# KiCad board Marble.kicad_pcb (continued)
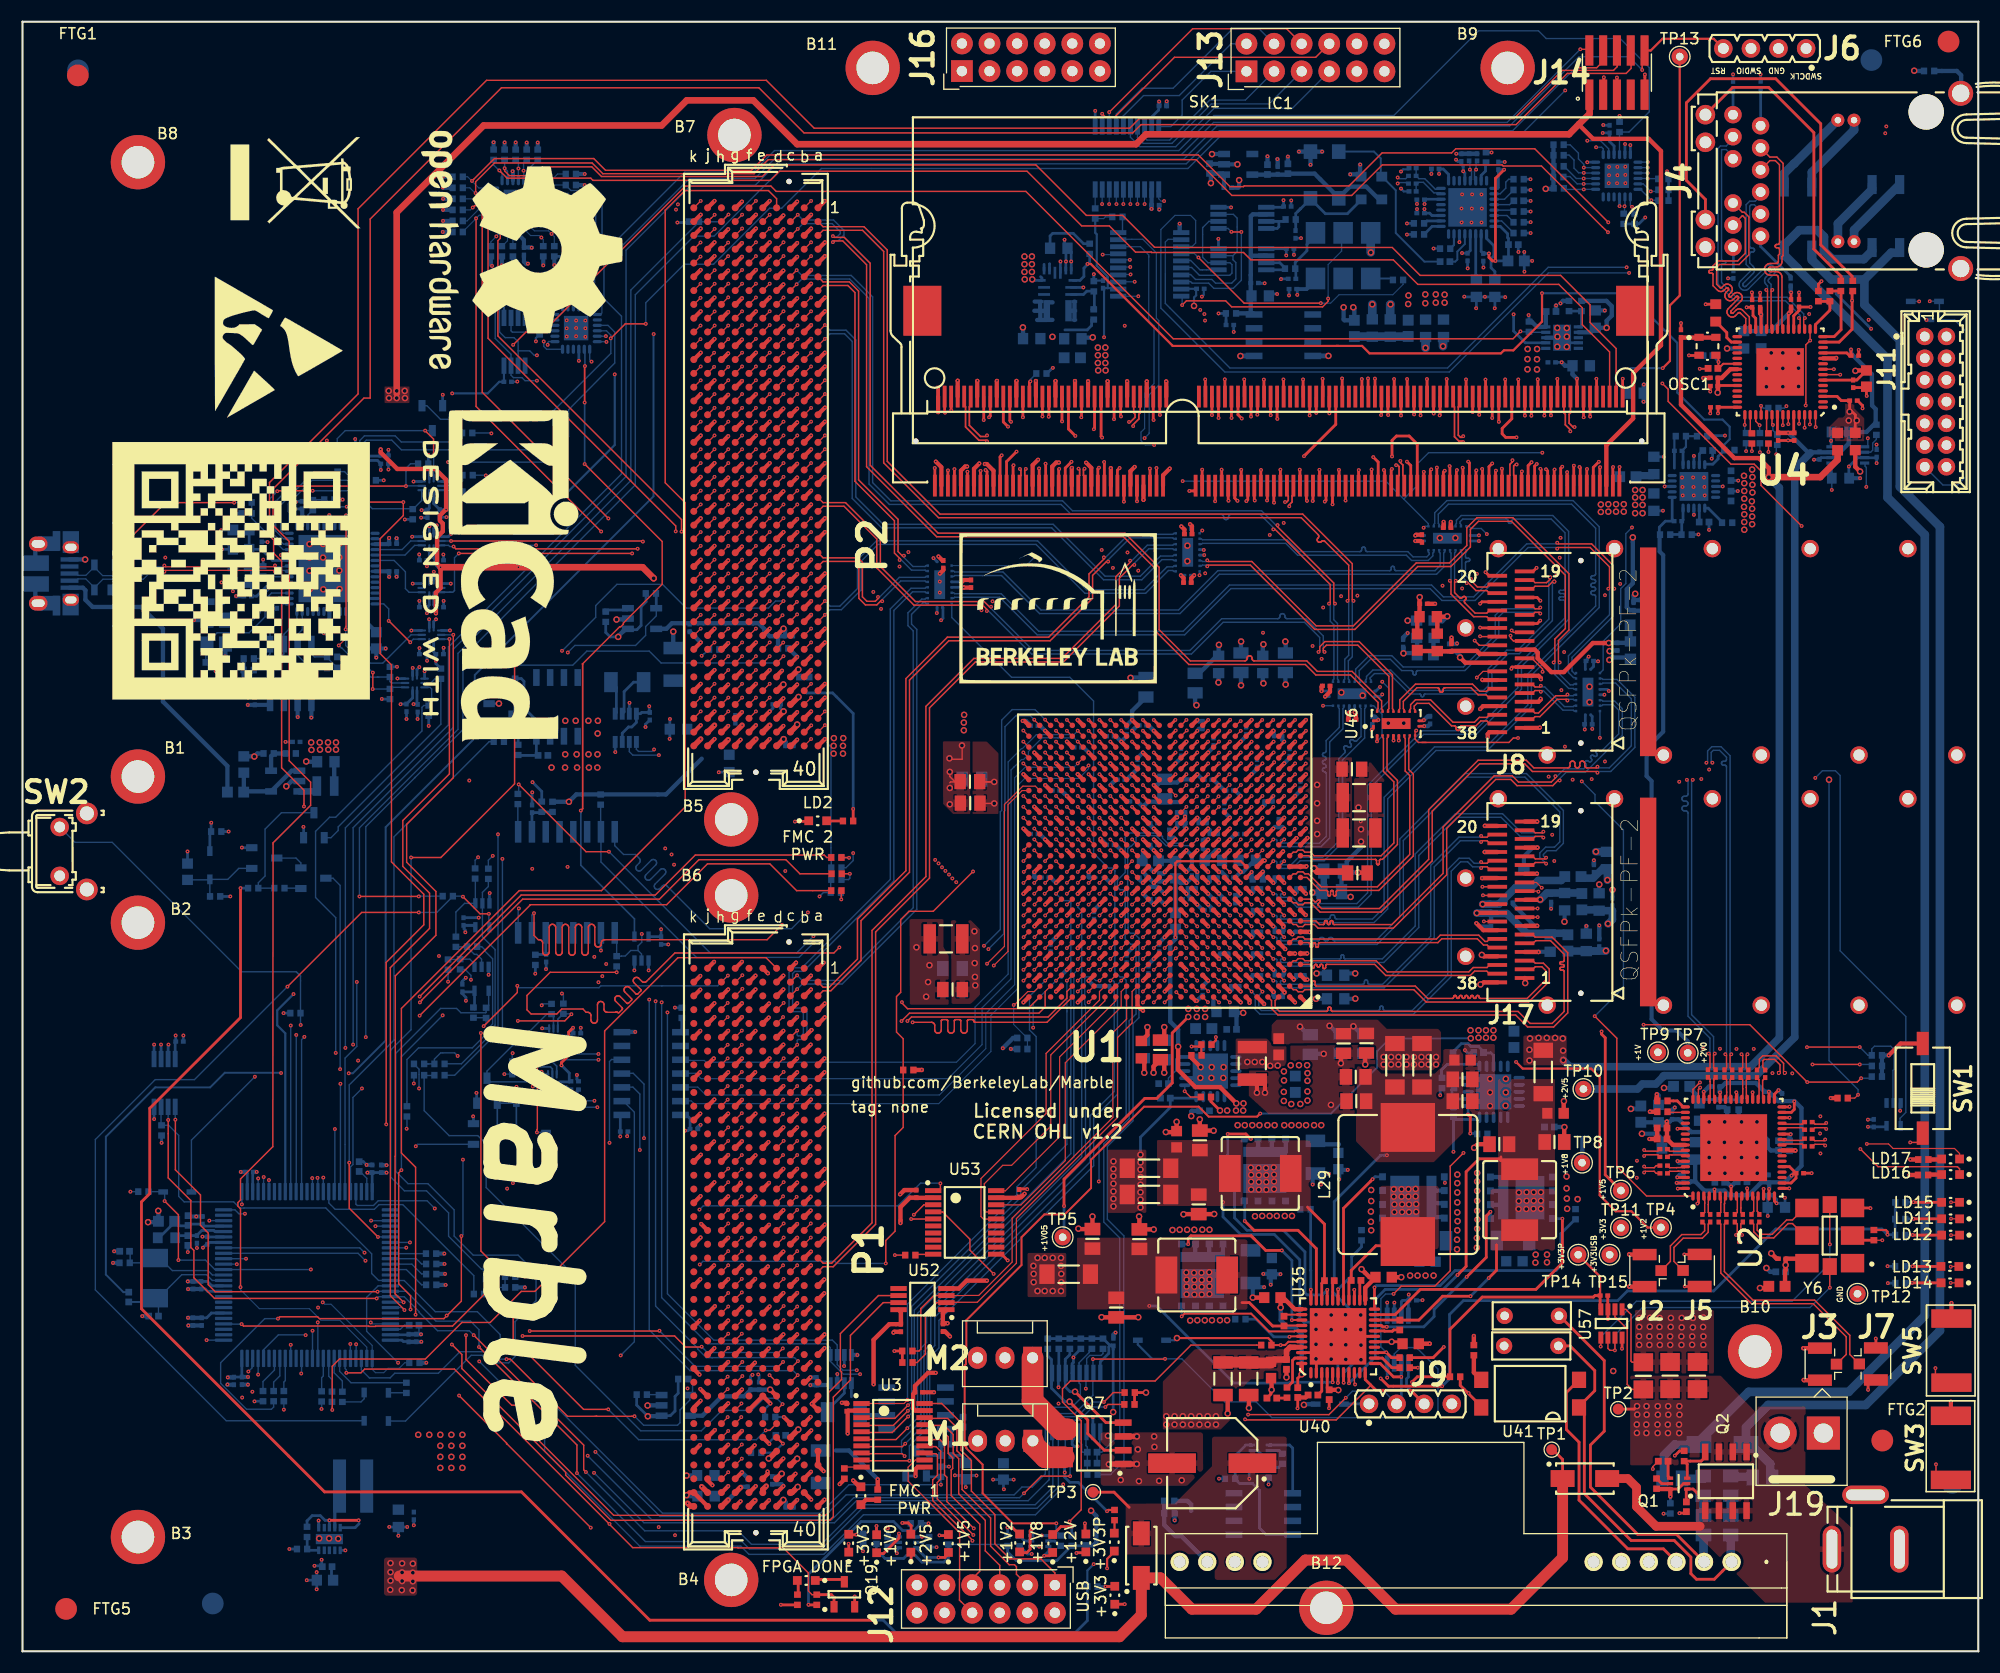
[diagram p0: board, top side]
## Routing (per net, layer and track width the routed paths; a pad name or vN(x,y) marks a point on that pad's centre or on a via; arc(x,y) is an arc through that point) (continued)
  Bottom w0.354: C115.1 118.19,125.39 118.62,125.82
  Bottom w0.381: U13.1 110.57,135.91 C80.1 ; 109.37,135.4 v2(109.37,135.15) ; v2(109.48,137.81) 109.49,137.82 U13.3
  Bottom w0.402: U13.1 110.5,136.02 109.37,136.02 109.37,135.4
  vias: v2(127.56,124.8) v2(127.53,124.01) v2(129.11,124.9) v2(129.11,124.09) v2(130.07,124.9) v2(130.07,124.14) v2(130.88,124.88) v2(130.88,124.14)
+3V3_USB: length 260.2
  Top w0.254: v1(20.06,70.25) 20.06,58.33 11.71,49.98 11.71,42.13 10.94,41.37 10.94,31.53 27.8,14.67 45.92,14.67 57.73,2.86 v1(78.25,2.86)
  In2.Cu w0.2: TP15.1 146.07,34.51 144.03,32.46 144.03,25.91 138.41,20.3 112.91,20.3 106.44,13.82 104.39,13.82 v1(98.59,8.02)
  Bottom w0.2: R78.1 98,7.43 v1(98.59,8.02)
  Bottom w0.254: R121.1 33.08,87.65 v1(33.07,87.66) ; v1(34.8,87.18) 34.81,87.2 C178.1 35.9,87.76 U24.7 ; v1(34.5,89.55) 34.52,89.53 U24.10 ; v1(35.91,90.52) 35.9,90.51 U24.1 ; v1(37.45,103.56) 37.44,103.55 U38.1 ; R270.1 v1(19.12,69.48) ; v1(35.91,98.28) 35.92,98.28 U15.10 ; v1(36.73,105.04) 36.73,105.05 C182.1 37.44,105.22 U26.7 ; v1(35.19,104.18) 35.2,104.19 R122.1 ; v1(35.79,93.96) 35.79,93.96 U25.10 ; C164.1 25.12,105.15 v1(25.12,105.15) ; v1(32.98,108.74) 32.97,108.75 C183.1 32.66,109.62 U33.7 ; v1(30.13,108.92) 30.14,108.92 U33.10 ; v1(37.22,95.56) 37.23,95.57 C355.1 37.44,96.32 U15.7 ; v1(35.99,107.67) 36,107.68 U26.10 ; v1(17.98,100.55) 18.62,99.91 L24.1 ; U38.7 37.44,100.63 C184.1 37.23,99.88 v1(37.22,99.88) ; R126.1 v1(33.25,107.79) ; R78.1 98,2.82 96.92,1.74 80.34,1.74 79.22,2.86 v1(78.25,2.86) ; U25.7 37.44,92 C180.1 37.23,91.18 v1(37.23,91.18) ; v1(17.37,76.27) 17.36,76.25 R272.2 17.24,75.34 D16.1 ; R271.2 v1(20.06,70.25) ; R123.1 34.46,90.62 v1(34.47,90.62) ; v1(37.36,110.12) 37.35,110.11 R124.1 37.44,109.22 U26.1 ; L25.1 18.31,103.22 v1(18.29,103.19) ; 28.03,109.58 v1(28.05,109.55) 28.08,109.53 R125.1
  Bottom w0.381: v1(33.74,102.48) 33.73,102.47 C176.1 33.7,101.91 U23.31 ; v1(22.86,96.71) 22.86,96.71 C169.1 23.62,96.91 U23.2 ; C164.1 25.75,105.11 U23.16 ; U23.36 33.73,99.41 C177.1 33.73,98.91 v1(33.74,98.9) ; U23.50 28.25,94.43 C170.1 27.72,94.42 v1(27.71,94.41) ; v1(20.34,89.49) R115.1 20.36,90.34 R117.1 ; v1(20.74,87.11) 20.74,87.12 C163.1 22.59,87.12 U21.8 ; U21.6 25.32,86.01 v1(25.33,85.99) ; R113.1 v1(29.63,91.53) ; v1(31.25,94.87) 31.25,94.88 U23.44
  Bottom w0.4: L23.2 28.69,81.85 C172.1
  vias: v2(26.57,83.66) v2(26.59,82.97) v2(27.35,83.66) v2(27.38,83) v2(28.11,83.66) v2(28.14,83) v2(28.85,83.66) v2(28.85,83)
+5V: length 1
  Top w0.254: C363.1 116.34,23.31 R193.1
+12V: length 66.4
  Top w0.127: U57.1 147.57,31.47 148.04,31 148.04,26.72 148.15,26.61 R15.2
  Top w0.4: 115.22,26.86 114.96,26.6 ; 112.94,26.6 112.87,26.53
  Top w0.45: U35.41 116.65,27.99 116.64,27.98
  Top w0.5: 115.22,26.86 114.89,26.53 ; C137.1 116.33,27.67 116.64,27.98 117.09,27.98
  Top w0.6: C137.1 115.22,26.86
  Top w1: 110.61,26.61 112.63,26.61 ; 112.87,26.53 114.89,26.53
  Bottom w0.127: R254.1 90.52,9.83 R252.1
  Bottom w0.254: 86.79,17.68 86.45,18.02 R202.1 ; R252.1 85.21,8.61 84.81,8.21 82.77,8.21 82.15,8.83 81.38,8.83 81.09,8.54 79.38,8.54 78.58,9.34 R249.1 ; R254.1 90.66,9.15 91.45,8.36 95.2,8.36 96.55,9.71 R256.1 97.79,9.71 R257.1 ; R203.1 45.9,89.54 46.15,89.29 46.15,86.83 47.33,85.65 v2(48.68,85.65)
  Bottom w0.4: 129.84,40.91 129.72,41.04 129.72,41.24 130.55,41.24 ; v2(98.35,12.94) 98.83,12.46 98.83,10.04 98.55,9.76 R257.1 ; 129.74,42.38 129.77,42.41 130.66,42.41 ; Q11.2 113.71,45.97 ; Q10.4 110.49,36.46 ; Q11.3 114.98,45.97 ; Q10.3 109.22,36.3 ; 130.86,39.97 129.71,39.97 ; Q11.4 116.25,45.94 ; Q13.3 136.28,42.38 ; Q13.2 136.28,41.11 ; Q10.2 107.95,36.3 ; Q13.4 136.22,43.65 ; 119.35,46.83 119.52,46.66 121.16,46.66
  vias: v2(48.69,81.35) v2(49.96,85.65) v2(49.95,82.57) v2(49.93,81.35) v2(50.91,85.65) v2(51,82.57) v2(51.04,81.35) v2(52.08,85.65) v2(52.09,82.57) v2(52.13,81.35) v2(52.96,85.65) v2(52.93,84.48) v2(52.92,82.57) v2(52.91,81.35) v2(105.27,21.63) v2(105.27,20.87) v2(105.84,38.78) v2(106.03,21.63) v2(106.03,20.87) v2(106.5,38.8) v2(106.79,21.63) v2(106.79,20.87) v2(107.19,38.8) v2(107.55,21.63) v2(107.55,20.87) v2(107.85,38.8) v2(108.32,21.63) v2(108.32,20.87) v2(108.58,38.8) v2(109.08,21.63) v2(109.08,20.87) v2(109.24,38.8) v2(109.84,21.63) v2(109.84,20.87) v2(111.83,48.43) v2(112.49,48.43) v2(113.18,48.43) v2(113.84,48.43) v2(114.58,48.43) v2(115.24,48.43) v2(116.13,48.43) v2(116.79,48.43) v2(117.47,48.43) v2(118.13,48.43) v2(118.87,48.43) v2(119.53,48.43) v2(132.05,43.88) v2(132.05,43.09) v2(132.05,42.23) v2(132.05,41.32) v2(132.05,40.4) v2(132.08,39.59) v2(132.05,38.75) v2(132.03,37.89) v2(132.03,37) v2(133.88,44.03) v2(133.88,43.25) v2(133.88,42.38) v2(133.88,41.47) v2(133.88,40.55) v2(133.88,38.9) v2(133.86,38.04) v2(133.86,37.15) v2(133.91,39.74) v2(148.78,28.99) v2(148.79,28.21) v2(148.82,30.68) v2(148.8,29.86) v2(149.79,30.7) v2(149.77,29.87) v2(149.72,28.98) v2(149.74,28.2) v2(150.68,30.68) v2(150.66,29.86) v2(150.68,28.98) v2(150.7,28.2) v2(151.69,29.86) v2(151.64,28.98) v2(151.65,28.2) v2(151.71,30.68) v2(152.67,28.98) v2(152.68,28.2) v2(152.7,30.68) v2(152.7,29.82) v2(153.67,28.98) v2(153.66,28.21) v2(153.73,30.68) v2(153.73,29.82) v2(154.69,30.72) v2(154.67,29.85) v2(154.69,28.21) v2(154.7,28.98)
+12V_FMC1: length 11.1
  Top w0.381: P1.C35 70.7,19.69 ; P1.C37 70.7,17.15
  Top w0.4: R235.1 v1(78.71,15.83) ; 71.29,17.75 v2(71.29,17.73)
  Top w0.5: P1.C35 v2(71.4,20.41) ; 70.7,17.15 71.29,17.75
  Bottom w0.254: U17.2 75.63,23.76 74.09,22.21 R182.2
  Bottom w0.4: 74.86,18.48 76.06,18.48 v1(78.71,15.83)
+12V_FMC2: length 21
  Top w0.254: v1(76.45,77.54) 76.45,76.43 R236.1
  Top w0.381: P2.C35 70.72,89.69 ; P2.C37 70.72,87.15
  Top w0.5: 70.72,87.15 71.29,87.72 ; 70.72,89.69 71.29,90.26
  Bottom w0.254: R183.2 56.25,89.21 55.37,88.33 55.37,86.48 U32.2 ; 72.13,88.23 72.15,88.21 74.56,88.21 76.45,86.33 v1(76.45,77.54)
  vias: v2(71.41,90.37) v2(71.42,87.85)
/FPGA/FPGA_PWR&MISC/GNDADC: length 12.7
  Top w0.381: U1.P12 v1(107.12,73.73) ; U1.P11 v1(108.12,73.73) ; U1.M11 v1(108.12,70.73) ; U1.N11 v1(108.12,71.73) ; U1.N12 v1(107.12,71.73)
  Bottom w0.381: U1.P11 v1(108.12,73.73) ; U1.P11 C224.2 ; U1.P11 v1(107.12,73.73) 106.14,72.75 C222.2 ; C224.2 107.47,72.08 v1(107.12,71.73) 106.12,72.73 C222.2 ; C224.2 107.77,72.08 v1(108.12,71.73) v1(108.12,70.73) ; 104.61,72.76 106.11,72.76 C222.2
/FPGA/FPGA_PWR&MISC/VCCADC: length 5.9
  Top w0.381: U1.M12 v1(107.12,70.73)
  Bottom w0.381: C224.1 107.62,71.23 v1(107.12,70.73) 106.54,70.73 C222.1
  Bottom w0.4: C222.1 L27.2
/Power/+12VS: length 19
  Top w0.127: U57.2 146.57,30.79 147.69,29.67 147.69,24.57 148.15,24.11 R15.1
  Top w0.254: Q1.4 151.45,16.12 C131.1 ; v2(148.6,22.57) 148.32,22.29 TP2.1
  Bottom w0.254: Q4.1 116.9,18.7 116.62,18.98 Q22.4
  vias: v2(148.57,20.88) v2(148.58,20.09) v2(148.61,21.79) v2(149.47,22.56) v2(149.48,21.78) v2(149.44,20.87) v2(149.46,20.09) v2(150.5,22.56) v2(150.47,20.87) v2(150.49,20.09) v2(150.51,21.78) v2(151.45,22.56) v2(151.47,21.78) v2(151.43,20.87) v2(151.44,20.09) v2(152.49,22.56) v2(152.5,21.78) v2(152.46,20.87) v2(152.47,20.09)
/Power/Power_SW/1V5_DCDC: length 14.9
  In7.Cu w0.4: v2(94.79,121) 97.63,123.84 v1(97.63,125.54)
  Bottom w0.254: v1(97.63,125.54) 97.63,125.54 U58.2 ; 98.4,122.58 98.4,122.04 97.99,121.63 95.94,121.63
  Bottom w0.4: 94.34,123.38 93.75,123.38 ; 94.79,122.56 94.2,122.56 ; 94.8,124.17 94.21,124.17 ; 93.68,123.22 93.68,122.62 ; 93.66,124.13 93.66,123.54 ; U58.8 93.13,123.39 ; 94.21,122.55 93.39,122.55 ; U58.9 93.16,124.24
/Power/Power_SW/1V5_LDO: length 5.7
  Bottom w0.2: C71.1 152.03,111.73 R69.1
  Bottom w0.254: C71.1 152.03,108.91
  Bottom w0.4: 150.09,108.08 148.96,108.08 ; C72.1 149.02,108.36 148.73,108.07
GND: length 1103.3
  Top w0.127: 149.62,92 149.62,83.34 150.46,82.5 151.03,82.5 ; v1(150.05,16.78) 150.03,16.8 150.03,16.98 150.34,17.29 150.34,17.51 ; 151.05,59.47 150.42,59.47 149.64,60.25 149.64,68.97 149.63,68.96 ; v2(85.31,82.19) 85.39,82.11 86.48,82.11 86.48,83.36 v2(86.46,83.38) ; v2(85.34,80.95) 85.34,80.52 85.84,80.03 86.49,80.03 85.42,80.03 85.34,79.95
  Top w0.2: LD18.1 100.48,9.16 99.82,8.5 v1(99.82,7.64)
  Top w0.254: v1(124.47,117.15) 124.48,117.14 124.48,115.52 ; v1(126.24,117.11) 126.24,117.1 126.24,115.48 ; v1(127.43,117.11) 127.44,117.1 127.44,115.48 ; v1(129.26,117.11) 129.27,117.1 129.27,115.48 ; v1(131.07,117.11) 131.08,117.1 131.08,115.48 ; v1(132.85,117.07) 132.86,117.06 132.86,115.44 ; v1(134.64,117.06) 134.65,117.05 134.65,115.43 ; v1(136.46,117.07) 136.47,117.06 136.47,115.44 ; v1(137.67,117.07) 137.67,117.06 137.67,115.44 ; v1(139.46,117.08) 139.46,117.08 139.46,115.46 ; 81.79,9 v1(81.79,8.26) ; SK1.133 125.97,108.76 v1(126.03,108.83) ; v1(153.38,119.29) 153.39,119.27 154.3,119.27 ; v1(159.16,125.08) 159.19,125.05 C52.2 ; U57.8 147.22,27.86 v1(147.21,27.85) ; U35.2 119.08,26.99 U35.45 ; U2.33 161.24,51.28 v1(161.62,51.65) ; v1(139.68,94.87) 139.41,94.6 J8.13 ; v1(134.65,99.33) 134.98,99 J8.20 ; v1(145.08,109.49) 144.57,108.98 SK1.195 ; U35.42 119.58,27.49 U35.45 ; SK1.161 134.37,108.8 v1(134.34,108.83) ; C48.2 v1(163.5,125.08) ; J5.2 153,33.58 v1(152.99,33.59) ; v1(91.21,109.17) 91.17,109.13 SK1.25 ; v1(169,119.79) 168.99,119.79 C55.2 ; v1(141.26,117.12) 141.27,117.11 SK1.184 ; J7.2 170.58,28.78 v1(170.57,28.79) ; v1(134.15,96.43) 134.32,96.6 J8.23 ; U35.45 U35.17 ; 151.05,12.68 v1(151.03,12.67) ; J8.26 134.18,94.2 v1(134.15,94.23) ; v1(76.59,5.05) 76.59,5.04 Q19.2 ; v1(145.91,30.58) 145.92,30.59 U57.3 145.9,31.49 C378.2 ; P2.B39 71.97,84.61 v1(72.59,85.23) ; v1(162.63,50.13) 162.61,50.11 U2.32 ; v2(114.96,24.07) 114.96,23.85 114.94,23.85 114.89,23.8 114.89,23.67 C363.2 ; 149.32,143.56 v1(149.32,145.14) ; 145.51,143.56 145.54,143.59 v1(145.54,144.88) ; v1(155.33,115.96) 155.34,115.96 155.34,116.52 ; v1(139.35,99.73) 139.02,99.4 J8.19 ; v1(155.33,113.95) 155.36,113.98 C54.2 ; v1(152.3,43.63) 152.32,43.61 U2.62 ; v1(90.68,35.98) 90.12,36.54 89.61,36.54 ; v1(152.35,42.59) 152.37,42.61 U2.64 ; SK1.189 142.77,109.12 v1(142.78,109.13) ; R108.2 152.51,18.44 v1(152.07,18) ; C362.2 117.37,22.39 v1(117.35,22.37) ; v1(138,108.6) 137.97,108.57 SK1.173 ; J7.2 169.86,24.97 v1(169.86,24.06) ; v1(97,9.05) 97.03,9.07 97.79,9.07 ; v1(162.61,42.61) 162.6,42.61 U2.17 ; v1(136.15,108.85) 136.17,108.84 SK1.167 ; v2(134.19,61.38) 134.38,61.57 134.49,61.57 ; v1(161.44,41.24) 161.24,41.44 U2.16 ; v1(124.77,85.73) 124.7,85.65 124.32,85.65 ; C319.2 91.77,42.56 92.44,42.56 v1(92.47,42.53) ; 169.89,122.54 v1(169.91,122.56) ; C79.2 162.48,111.45 v1(162.49,111.46) 162.5,111.45 C56.2 ; U2.2 154.24,41.3 v1(154.15,41.21) ; v1(158.72,42.61) 158.74,42.59 U2.11 ; 153.12,12.72 152.51,12.72 v1(152.5,12.71) ; v1(124.17,108.78) 124.17,108.78 SK1.127 ; v1(132.55,108.94) 132.57,108.92 SK1.155 ; v1(146.39,109.01) 146.37,108.99 SK1.201 ; v1(152.64,122.26) 152.64,122.26 C43.2 ; v1(126.18,83.84) 126.17,83.85 126.17,84.3 ; v1(159.23,51.45) 159.24,51.44 U2.37 ; v1(152.95,36.53) 152.95,36.53 J5.2 ; v1(120.25,22.37) 120.26,22.39 C140.2 ; SK1.151 131.37,109.07 v1(131.34,109.1) ; J8.16 139.4,97 139.7,96.7 v1(139.7,96.7) ; v1(154.91,123.99) 154.92,124 R66.1 ; 146.78,143.56 146.75,143.59 v1(146.75,144.86) ; U2.53 152.33,48.11 v1(152.32,48.1) ; SK1.197 145.17,108.97 v1(145.2,108.99) ; v1(170.08,40.78) 170.05,40.81 Y6.3 ; U2.27 162.72,47.61 v1(162.73,47.59) ; SK1.196 144.87,117.12 v1(144.85,117.14) ; C53.2 169.62,116.32 C57.2 169.71,115.58 v1(169.73,115.55) ; v1(154.73,51.5) 154.74,51.5 U2.46 ; U2.30 162.63,49.11 v1(162.63,49.11) ; v1(129.65,108.8) 129.57,108.71 SK1.145 ; v1(169.35,114.41) 169.35,114.66 168.89,115.12 C46.2 ; 72.13,76.39 71.12,76.39 v1(71.09,76.37) ; C323.2 v1(164.67,44.01) ; v1(141.71,109.04) 141.57,108.9 SK1.185 ; v2(134.31,64.1) 134.44,63.97 134.49,63.97 ; v1(127.42,109.5) 127.77,109.15 SK1.139 ; 138.27,61.97 138.27,61.54 v2(138.3,61.51) ; 128.52,85.65 128.91,85.65 v1(128.98,85.72) ; SK1.179 139.77,108.77 v1(139.7,108.84) ; C51.2 v1(162.77,125.08) ; C49.2 v1(159.92,125.05) ; SK1.190 143.07,117.13 v1(143.06,117.14) ; v1(76.03,9.9) 76.04,9.88 76.04,9.07 ; LD19.1 v1(101.44,4.33)
  Top w0.381: U1.M7 v1(112.12,70.73) ; U1.K4 v1(115.12,68.73) ; U1.M4 v1(115.12,70.73) ; U1.L5 v1(114.12,69.73) ; U1.M9 v1(110.12,70.73) ; U1.P13 v1(106.12,73.73) ; U1.L16 v1(102.12,69.73) ; U1.L12 v1(107.12,69.73) ; U1.V15 v1(103.12,77.73) ; U1.M15 v1(103.12,70.73) ; U1.AE14 v1(104.12,84.73) ; U1.AE24 v1(94.12,84.73) ; U1.R24 v1(94.12,74.73) ; U1.AD17 v1(101.12,83.73) ; U1.AA16 v1(102.12,80.73) ; U1.T15 v1(103.12,75.73) ; U1.AB23 v1(95.12,81.73) ; U1.AA26 v1(92.12,80.73) ; U1.U18 v1(100.12,76.73) ; U1.P15 v1(103.12,73.73) ; U1.P17 v1(101.12,73.73) ; U1.U14 v1(104.12,76.73) ; U1.L10 v1(109.12,69.73) ; U1.K11 v1(108.12,68.73) ; U1.L14 v1(104.12,69.73) ; U1.AC20 v1(98.12,82.73) ; U1.Y19 v1(99.12,79.73) ; U1.T13 v1(106.12,75.73) ; U1.R14 v1(104.12,74.73) ; U1.N14 v1(104.12,71.73) ; U1.K7 v1(112.12,68.73) ; U1.K9 v1(110.12,68.73) ; U1.K13 v1(105.12,68.73) ; U1.J12 v1(107.12,67.73) ; U1.T1 v1(118.12,75.73) ; U1.U10 v1(109.12,76.73) ; U1.G8 v1(111.12,65.73) ; U1.E7 v1(112.12,63.73) ; U1.Y9 v1(110.12,79.73) ; U1.F4 v1(115.12,64.73) ; U1.W12 v1(107.12,78.73) ; U1.A7 v1(112.12,59.73) ; U1.D4 v1(115.12,62.73) ; U1.D7 v1(112.12,62.73) ; U1.B7 v1(112.12,60.73) ; U1.C7 v1(112.12,61.73) ; U1.C5 v1(114.12,61.73) ; U1.U8 v1(111.12,76.73) ; U1.AC10 v1(109.12,82.73) ; U1.G5 v1(114.12,65.73) ; U1.R10 v1(109.12,74.73) ; U1.W2 v1(117.12,78.73) ; U1.N7 v1(112.12,71.73) ; U1.AD7 v1(112.12,83.73) ; U1.AF11 v1(108.12,85.73) ; U1.E5 v1(114.12,63.73) ; U1.F7 v1(112.12,64.73) ; U1.H7 v1(112.12,66.73) ; U1.T4 v1(115.12,75.73) ; U1.V5 v1(114.12,77.73) ; U1.P9 v1(110.12,73.73) ; U1.AF1 v1(118.12,85.73) ; U1.R8 v1(111.12,74.73) ; U1.R5 v1(114.12,74.73) ; U1.AA6 v1(113.12,80.73) ; U1.F11 v1(108.12,64.73) ; U1.H4 v1(115.12,66.73) ; U1.AB13 v1(106.12,81.73) ; U1.J5 v1(114.12,67.73) ; U1.AB3 v1(116.12,81.73) ; U1.T9 v1(110.12,75.73) ; U1.T11 v1(108.12,75.73) ; U1.N10 v1(109.12,71.73) ; U1.L1 v1(118.12,69.73) ; U1.P4 v1(115.12,73.73) ; U1.T3 v1(116.12,75.73) ; U1.C10 v1(109.12,61.73) ; U1.E8 v1(111.12,63.73) ; U1.A1 v1(118.12,59.73) ; U1.A2 v1(117.12,59.73) ; U1.K19 v1(99.12,68.73) ; U1.E24 v1(94.12,63.73) ; U1.E14 v1(104.12,63.73) ; U1.J22 v1(96.12,67.73) ; U1.A26 v1(92.12,59.73) ; U1.B13 v1(105.12,60.73) ; U1.M23 v1(95.12,70.73) ; U1.H15 v1(103.12,66.73) ; U1.D17 v1(101.12,62.73) ; U1.L26 v1(92.12,69.73) ; P1.A29 v1(73.81,27.91) ; 71.94,29.82 v1(72.54,30.42) ; 73.19,32.36 v1(73.78,32.96) ; 71.97,34.93 v1(72.56,35.53) ; 73.24,37.42 v1(73.84,38.01) ; 71.94,39.98 v1(72.54,40.58) ; 73.24,42.55 v1(73.84,43.15) ; 71.92,45.09 v1(72.51,45.69) ; 73.24,57.76 v1(73.84,58.36) ; 63.08,57.79 v1(63.67,58.39) ; 61.78,60.3 v1(62.38,60.9) ; 71.97,60.33 v1(72.56,60.93) ; P1.A28 v1(73.81,29.18) ; 71.94,31.09 v1(72.54,31.69) ; 73.19,33.63 v1(73.78,34.23) ; 71.97,36.2 v1(72.56,36.8) ; 73.24,38.69 v1(73.84,39.28) ; 71.94,41.25 v1(72.54,41.85) ; 73.24,43.82 v1(73.84,44.42) ; 71.92,46.36 v1(72.51,46.96) ; 73.24,59.03 v1(73.84,59.63) ; 63.08,59.06 v1(63.67,59.66) ; 61.78,61.57 v1(62.38,62.17) ; 71.97,61.6 v1(72.56,62.2) ; 138.27,71.57 139.38,71.57 v1(139.39,71.58) ; v2(114.35,51.42) 114.35,52.42 ; J8.32 134.38,89.4 v1(134.35,89.43) ; v1(71.29,88.99) 70.72,88.42 P2.C36 ; P2.K27 v1(62.42,100.49) ; U1.N2 U1.N1 118.14,72.23 v1(118.17,72.26) ; P2.H36 64.37,88.42 v1(64.94,88.99) ; P1.E8 68.16,53.98 v1(68.75,54.58) ; v1(71.29,86.45) 70.72,85.88 P2.C38 ; P1.J11 v1(63.67,50.79) ; P2.G32 65.64,93.5 v1(66.22,94.07) ; P1.H18 64.35,41.28 v1(64.94,41.88) ; P1.A8 v1(73.81,54.58) ; U1.M13 105.13,70.74 v1(105.13,70.73) ; P2.A20 v1(73.85,109.38) ; P1.C20 70.7,38.74 v1(71.29,39.34) ; P1.G14 65.62,46.36 v1(66.22,46.96) ; v1(68.6,35.42) 68.13,34.95 P1.E23 ; C306.2 130.79,103.45 v1(130.79,103.97) ; v1(67.46,45.66) 66.89,45.09 P1.F15 ; v1(101.66,116.91) 101.67,116.9 SK1.60 ; v1(66.22,113.12) 65.64,112.55 P2.G17 ; P1.F33 P1.E32 68.14,23.5 v1(68.83,22.81) ; U1.U12 107,76.61 v1(107,76.83) ; P2.H27 64.37,99.85 v1(64.94,100.42) ; v1(70.03,57.12) 69.43,56.52 P1.D6 ; v1(71.29,128.36) 70.72,127.79 P2.C5 ; SK1.71 104.97,108.25 v1(105.59,108.87) ; P2.K36 v1(62.42,89.06) ; v1(67.38,18.96) 66.86,18.44 P1.F36 ; P1.A9 v1(73.81,53.31) ; v1(134.85,84.13) 134.85,84.43 135.02,84.6 J8.38 ; P2.A29 v1(73.85,97.95) ; SK1.32 93.27,116.93 v1(93.27,116.93) ; P2.E40 v1(68.77,83.98) ; P2.K24 v1(62.42,104.3) ; U1.A16 102.62,59.42 102.87,59.17 102.91,59.17 103.14,58.95 ; P2.A33 v1(73.85,92.87) ; v1(66.22,39.34) 65.62,38.74 P1.G20 ; v1(88.06,109.34) 87.57,108.85 SK1.13 ; J8.4 139.53,87.4 139.72,87.6 v1(139.72,87.68) ; v1(71.29,19.02) 70.7,18.42 P1.C36 ; v1(70.03,44.42) 69.43,43.82 P1.D16 ; P2.B35 v1(72.58,90.33) ; P2.E26 v1(68.77,101.76) ; P1.A13 73.21,47.65 v1(73.78,48.23) ; SK1.55 100.17,108.9 v1(100.16,108.91) ; v1(67.48,15.21) 66.89,14.61 P1.F39 ; P1.H3 64.35,60.33 v1(64.94,60.93) ; U1.E1 118.23,64.23 v1(118.24,64.24) ; P2.A28 v1(73.85,99.22) ; v1(71.29,27.91) 70.7,27.31 P1.C29 ; U1.C20 98.12,61.73 v1(98.12,61.73) ; P1.C17 70.7,42.55 v1(71.29,43.15) ; v1(93.12,77.74) 93.12,77.73 U1.V25 ; P1.E40 v1(68.7,13.91) ; P1.B39 v1(72.59,13.96) ; v1(70.03,60.93) 69.43,60.33 P1.D3 ; U1.W22 96.12,78.73 v1(96.12,78.73) ; P2.F15 v1(67.5,115.73) ; P2.C29 70.72,97.31 v1(71.29,97.88) ; v1(66.22,86.45) 65.64,85.88 P2.G38 ; P2.A13 v1(73.85,118.27) ; v1(118.46,66.19) 118.42,66.23 U1.G1 ; P2.F21 v1(67.5,108.11) ; U1.A6 112.93,59.92 v1(112.93,59.68) ; v1(66.22,24.1) 65.62,23.5 P1.G32 ; v1(91.49,116.94) 91.47,116.92 SK1.26 ; P2.E23 v1(68.77,105.57) ; v1(98.07,116.91) 98.07,116.91 SK1.48 ; P1.A40 73.21,13.36 v1(73.81,13.96) ; P1.E14 v1(68.65,46.88) ; P1.E20 68.18,38.74 v1(68.7,39.26) ; P2.H18 64.37,111.28 v1(64.94,111.85) ; P1.K12 v1(62.38,49.5) ; P1.F3 v1(67.46,60.93) ; P1.C25 70.7,32.39 v1(71.29,32.99) ; v1(70.03,114.39) 69.45,113.82 P2.D16 ; v1(97.12,75.73) 97.12,75.73 U1.T21 ; C104.2 106.86,98.8 v1(106.61,99.05) ; P1.G8 65.62,53.98 v1(66.22,54.58) ; v1(86.94,109.06) 86.75,109.06 86.37,108.68 SK1.9 ; P2.F2 v1(67.5,132.24) ; U1.AE4 115.12,84.73 v1(115.13,84.73) ; v1(66.22,97.88) 65.64,97.31 P2.G29 ; v1(84.06,109.51) 84.57,109 SK1.3 ; P1.F18 v1(67.46,41.88) ; v1(68.57,16.55) 68.57,16.32 P1.E38 ; P2.E35 v1(68.77,90.33) ; P1.J20 v1(62.46,39.34) ; P1.G26 65.62,31.12 v1(66.22,31.72) ; P1.K15 61.81,45.09 v1(62.43,45.71) ; P2.F9 v1(67.5,123.35) ; P2.F3 v1(67.5,130.97) ; 121.36,55.05 121.34,55.03 v2(121.34,54.13) ; v1(64.94,15.21) 64.35,14.61 P1.H39 ; P2.D25 v1(70.04,103.03) ; v1(67.43,53.31) 66.86,52.73 P1.F9 ; v1(71.29,29.18) 70.7,28.58 P1.C28 ; P1.G4 65.62,59.06 v1(66.22,59.66) ; v1(64.94,123.28) 64.37,122.71 P2.H9 ; U1.R2 117.24,74.85 v1(117.25,74.85) ; v1(71.29,59.66) 70.7,59.06 P1.C4 ; P1.C5 70.7,57.79 v1(71.29,58.39) ; C138.1 118.1,23.37 C362.2 ; P2.C33 70.72,92.23 v1(71.29,92.8) ; v1(71.29,109.31) 70.72,108.74 P2.C20 ; P2.E4 v1(68.77,129.7) ; v1(66.22,129.63) 65.64,129.06 P2.G4 ; P2.J23 v1(63.69,105.57) ; v1(134.15,86.73) 134.42,87 J8.35 ; SW5.1 v1(177.53,32.06) ; P2.C13 70.72,117.63 v1(71.29,118.2) ; P1.D39 69.43,14.61 v1(70.03,15.21) ; U1.J2 117.07,67.78 v1(117.1,67.78) ; v1(66.09,13.81) 65.62,13.34 P1.G40 ; P2.K15 v1(62.42,115.73) ; P1.K9 61.78,52.73 v1(62.35,53.31) ; P2.H21 64.37,107.47 v1(64.94,108.04) ; P2.G5 65.64,127.79 v1(66.22,128.36) ; P2.A36 v1(73.85,89.06) ; v1(71.29,13.94) 70.7,13.34 P1.C40 ; P2.D10 69.45,121.44 v1(70.03,122.01) ; P2.C12 70.72,118.9 v1(71.29,119.47) ; SK1.49 98.37,108.93 v1(97.89,109.41) ; P2.J4 v1(63.69,129.7) ; P2.H6 64.37,126.52 v1(64.94,127.09) ; v1(72.51,25.21) 72.07,24.77 P1.B31 ; v1(95.12,60.74) 95.13,60.74 U1.B23 ; P2.D6 69.45,126.52 v1(70.03,127.09) ; P1.D13 69.43,47.63 v1(70.03,48.23) ; v1(70.03,29.18) 69.43,28.58 P1.D28 ; v1(70.03,85.18) 69.45,84.61 P2.D39 ; P2.B11 v1(72.58,120.81) ; v1(118.11,67.77) 118.08,67.77 U1.J1 ; SK1.31 92.97,109.18 v1(93.47,109.68) ; P2.J35 v1(63.69,90.33) ; SK1.20 89.67,116.93 v1(89.68,116.94) ; v1(66.22,20.29) 65.62,19.69 P1.G35 ; P2.J8 v1(63.69,124.62) ; v1(97.12,64.73) 97.12,64.73 U1.F21 ; P1.B38 71.94,15.9 v1(72.56,16.53) ; P2.K39 v1(62.42,85.25) ; v1(71.29,24.1) 70.7,23.5 P1.C32 ; P2.J40 v1(63.69,83.98) ; P2.J11 v1(63.69,120.81) ; P2.K6 v1(62.42,127.16) ; v1(70.03,130.9) 69.45,130.33 P2.D3 ; v1(64.94,26.64) 64.35,26.04 P1.H30 ; v1(116.02,73.64) 116.02,73.63 U1.P3 ; v1(71.29,54.58) 70.7,53.98 P1.C8 ; P2.F12 v1(67.5,119.54) ; P1.J35 63.05,19.7 v1(63.73,20.37) ; P2.A5 v1(73.85,128.43) ; J8.7 139.53,89.8 139.75,89.58 v1(139.75,89.47) ; P2.E38 v1(68.77,86.52) ; v1(70.03,118.2) 69.45,117.63 P2.D13 ; P2.C17 70.72,112.55 v1(71.29,113.12) ; P2.K21 v1(62.42,108.11) ; v1(67.43,34.28) 66.86,33.71 P1.F24 ; U1.E2 117.11,64.23 v1(117.12,64.22) ; v1(63.62,54.58) 63.05,54 P1.J8 ; 123.54,55.05 123.58,55.01 v2(123.58,54.02) ; P2.B10 v1(72.58,122.08) ; P2.K12 v1(62.42,119.54) ; P2.F27 v1(67.5,100.49) ; P1.G23 65.62,34.93 v1(66.22,35.53) ; P1.E26 v1(68.75,31.74) ; P1.A32 73.21,23.35 v1(72.64,22.77) 73.19,22.23 P1.A33 ; P2.B38 v1(72.58,86.52) ; v1(103.17,105.98) 103.17,105.99 SK1.65 ; v1(71.29,123.28) 70.72,122.71 P2.C9 ; P1.B6 72.61,57.19 v1(72.62,57.19) ; P1.D19 69.43,40.01 v1(70.03,40.61) ; P2.A32 v1(73.85,94.14) ; C292.2 128.68,102.2 v1(128.19,102.2) ; P2.B7 v1(72.58,125.89) ; P2.K18 v1(62.42,111.92) ; v1(64.94,38.07) 64.35,37.47 P1.H21 ; v1(62.3,25.47) 61.78,25.99 P1.K30 ; v1(70.03,110.58) 69.45,110.01 P2.D19 ; v1(70.03,36.8) 69.43,36.2 P1.D22 ; U1.N20 98.12,71.73 v1(98.12,71.73) ; P1.C16 70.7,43.82 v1(71.29,44.42) ; C397.2 84.74,99.52 v1(84.43,99.2) ; P2.A8 v1(73.85,124.62) ; v1(66.22,101.69) 65.64,101.12 P2.G26 ; P2.F36 v1(67.5,89.06) ; P2.E20 v1(68.77,109.38) ; v1(64.94,22.83) 64.35,22.23 P1.H33 ; P1.G29 65.62,27.31 v1(66.22,27.91) ; SK1.43 96.57,108.92 v1(96.58,108.93) ; v1(73.73,16.58) 73.21,17.1 P1.A37 P1.A36 ; P2.A25 v1(73.85,103.03) ; v1(118.25,74.87) 118.25,74.86 U1.R1 ; P2.K3 v1(62.42,130.97) ; SK1.61 101.97,108.63 v1(102.36,109.02) ; v1(114.32,72.79) 114.18,72.79 U1.N5 ; P2.J26 v1(63.69,101.76) ; v2(108.43,53.77) 107.6,54.61 107.6,54.77 ; v1(66.09,43.15) 66.09,43.04 P1.G17 ; P1.K21 v1(62.41,38.09) ; P1.B11 v1(72.56,50.79) ; U1.AF21 97.12,85.73 v1(97.12,85.73) ; P2.E1 v1(68.77,133.51) ; v1(116.1,68.7) 116.1,68.75 U1.K3 ; P1.J38 63.05,15.73 v1(63.5,15.28) ; SK1.37 94.77,109.05 95.14,109.43 v1(95.39,109.43) ; 135.76,66.37 134.45,66.37 v1(133.8,67.02) ; v1(66.22,50.77) 65.62,50.17 P1.G11 ; v1(84.27,114.06) 84.27,114.07 SK1.2 ; P2.H33 64.37,92.23 v1(64.94,92.8) ; v1(88.57,109.29) 88.76,109.29 89.37,108.68 SK1.19 ; P2.E14 v1(68.77,117) ; v1(87.88,116.94) 87.87,116.93 SK1.14 ; P1.G1 65.62,62.87 v1(66.22,63.47) ; P2.F33 v1(67.5,92.87) ; U1.C1 118.03,61.82 v1(118.25,61.82) ; v1(62.41,23.06) 61.78,22.44 P1.K33 ; P1.D37 69.43,17.15 v1(70.03,17.75) ; P2.B27 v1(72.58,100.49) ; SK1.66 103.47,116.89 v1(103.48,116.89) ; P1.J17 v1(63.67,43.17) ; P2.H15 64.37,115.09 v1(64.94,115.66) ; C37.2 86.63,98.61 v1(86.41,98.39) ; v1(72.54,21.58) 71.94,20.98 P1.B34 ; P2.J1 v1(63.69,133.51) ; v1(71.29,133.44) 70.72,132.87 P2.C1 ; U1.H25 93.14,66.75 v1(93.14,66.73) ; P1.B30 v1(72.54,26.64) ; v1(71.29,129.63) 70.72,129.06 P2.C4 ; SK1.8 v1(86.07,116.95) 86.07,116.95 ; J8.1 139.62,85 v1(139.65,85.03) ; v1(70.03,99.15) 69.45,98.58 P2.D28 ; v1(63.65,46.93) 63.08,46.36 P1.J14 ; v1(66.22,90.26) 65.64,89.69 P2.G35 ; v1(70.03,132.17) 69.45,131.6 P2.D2 ; P1.K36 v1(62.35,18.99) ; v1(96.86,116.93) 96.87,116.92 SK1.44 ; P2.J5 v1(63.69,128.43) ; P2.C21 70.72,107.47 v1(71.29,108.04) ; v1(99.87,116.91) 99.87,116.9 SK1.54 ; P2.H24 64.37,103.66 v1(64.94,104.23) ; P1.J1 v1(63.65,63.47) ; P2.B23 v1(72.58,105.57) ; v1(66.22,133.44) 65.64,132.87 P2.G1 ; v1(82.19,16.12) 82.19,16.77 82.38,16.96 U3.11 ; P1.F2 v1(67.46,62.2) ; P1.A1 v1(73.73,63.39) ; P2.E8 v1(68.77,124.62) ; P1.C9 70.7,52.71 v1(71.29,53.31) ; C395.2 106.94,103.26 v1(106.65,103.55) ; P2.B26 v1(72.58,101.76) ; P2.B31 v1(72.58,95.41) ; P2.J14 v1(63.69,117) ; P1.F12 v1(67.46,49.5) ; v1(70.03,55.85) 69.43,55.25 P1.D7 ; P2.F30 v1(67.5,96.68) ; P2.J38 v1(63.69,86.52) ; C314.2 v1(83.89,23.84) ; v1(119.56,88.38) 119.56,88.78 C396.2 ; P1.G38 65.62,15.88 v1(66.22,16.48) ; v1(66.22,109.31) 65.64,108.74 P2.G20 ; P2.K30 v1(62.42,96.68) ; v1(95.07,116.93) 95.07,116.93 SK1.38 ; P1.E4 v1(68.7,59.63) ; v1(122.6,86.43) 122.72,86.31 C305.2 ; v1(67.41,26.57) 66.88,26.04 P1.F30 ; v1(171.76,54.86) 172.85,55.94 SW1.2 ; P1.J32 63.03,23.5 v1(62.38,24.15) ; P1.J23 v1(63.65,35.53) ; P1.F21 v1(67.43,38.04) ; v1(71.29,94.07) 70.72,93.5 P2.C32 ; P1.D2 69.43,61.6 v1(70.03,62.2) ; P2.B30 v1(72.58,96.68) ; P2.K2 v1(62.42,132.24) ; P1.E11 v1(68.7,50.74) ; v1(64.94,119.47) 64.37,118.9 P2.H12 ; P1.C13 70.7,47.63 v1(71.29,48.23) ; P1.A12 v1(73.81,49.5) ; v1(70.03,106.77) 69.45,106.2 P2.D22 ; v1(66.22,120.74) 65.64,120.17 P2.G11 ; P1.B7 v1(72.54,55.85) ; P2.J17 v1(63.69,113.19) ; v1(64.94,34.26) 64.35,33.66 P1.H24 ; P1.H15 64.35,45.09 v1(64.94,45.69) ; P1.B35 v1(72.59,20.34) ; P2.A9 v1(73.85,123.35) ; v1(105.25,116.89) 105.27,116.88 SK1.72 ; v1(64.94,57.12) 64.35,56.52 P1.H6 ; P2.B18 v1(72.58,111.92) ; P1.E35 v1(68.73,19.09) ; P1.G5 65.62,57.79 v1(66.22,58.39) ; P1.J29 63.08,27.31 v1(63.67,27.91) ; P2.F6 v1(67.5,127.16) ; P1.H36 64.35,18.42 v1(64.94,19.02) ; P2.K9 v1(62.42,123.35) ; v1(63.73,31.77) 63.08,31.12 P1.J26 ; P2.A37 v1(73.85,87.79) ; P2.A40 v1(73.85,83.98) ; P1.D10 69.43,51.44 v1(70.03,52.04) ; P2.B6 v1(72.58,127.16) ; P2.C8 70.72,123.98 v1(71.29,124.55) ; P2.E29 v1(68.77,97.95) ; P2.B19 v1(72.58,110.65) ; U1.A5 114.27,59.58 v1(114.28,59.58) ; v1(64.94,53.31) 64.35,52.71 P1.H9 ; P1.C21 70.7,37.47 v1(71.29,38.07) ; v1(68.68,27.88) 68.13,27.33 P1.E29 ; P2.C25 v1(71.31,103.03) ; P2.G14 65.64,116.36 v1(66.22,116.93) ; P2.B34 v1(72.58,91.6) ; v1(64.94,85.18) 64.37,84.61 P2.H39 ; v1(71.29,83.91) 70.72,83.34 P2.C40 ; v1(70.03,32.99) 69.43,32.39 P1.D25 ; P1.H27 64.35,29.85 v1(64.94,30.45) ; v1(115.15,60.68) 115.12,60.71 115.12,60.73 U1.B4 ; P1.B10 v1(72.51,52.01) ; v1(73.85,114.48) 73.21,113.84 P2.A16 ; v1(70.03,87.72) 69.45,87.15 P2.D37 ; v1(64.94,130.9) 64.37,130.33 P2.H3 ; U1.F3 116.21,64.64 v1(116.21,64.63) ; P1.C1 v1(71.19,63.39) ; P2.K33 v1(62.42,92.87) ; P2.F24 v1(67.5,104.3) ; 113.61,52.41 v2(113.61,51.41) ; P1.K6 v1(62.38,57.12) ; v1(71.29,114.39) 70.72,113.82 P2.C16 ; v1(75.41,22.88) 75.86,22.88 75.94,22.79 ; v1(66.22,124.55) 65.64,123.98 P2.G8 ; v1(71.29,99.15) 70.72,98.58 P2.C28 ; P2.J20 v1(63.69,109.38) ; P2.A21 v1(73.85,108.11) ; P2.B15 v1(72.58,115.73) ; P2.A24 v1(73.85,104.3) ; v1(71.29,22.83) 70.7,22.23 P1.C33 ; P1.E17 v1(68.7,43.12) ; v1(62.33,30.45) 61.78,29.9 P1.K27 ; v1(68.6,62.41) 68.59,62.41 P1.E1 ; P2.A17 v1(73.85,113.19) ; P1.C12 70.7,48.9 v1(71.29,49.5) ; v1(71.29,34.26) 70.7,33.66 P1.C24 ; P1.K18 v1(62.41,41.9) ; R300.2 v1(166.42,50.92) ; P2.E11 v1(68.77,120.81) ; P2.C24 70.72,103.66 v1(71.29,104.23) ; SW3.1 v1(177.48,22.98) ; v2(61.11,14.37) 61.13,14.37 61.39,14.62 61.77,14.62 P1.K39 P1.J40 ; P2.A1 v1(73.85,133.51) ; P2.E5 v1(68.77,128.43) ; P2.F39 v1(67.5,85.25) ; U1.G18 v1(100.12,65.73) ; P1.E5 v1(68.68,58.33) ; P2.J29 v1(63.69,97.95) ; P2.A4 v1(73.85,129.7) ; P2.H30 v1(64.96,96.68) ; P2.B14 v1(72.58,117) ; P2.E32 v1(68.77,94.14) ; P2.F18 v1(67.5,111.92) ; P1.F27 v1(67.43,30.42) ; P2.B2 v1(72.58,132.24) ; P2.B3 v1(72.58,130.97) ; P2.G40 65.59,83.42 v1(66.09,83.91) ; P1.F6 v1(67.46,57.12) ; v1(70.03,125.82) 69.45,125.25 P2.D7 ; v1(64.94,49.5) 64.35,48.9 P1.H12 ; P2.J32 v1(63.69,94.14) ; P1.K24 v1(62.38,34.26) ; P2.E17 v1(68.77,113.19) ; P2.A12 v1(73.85,119.54) ; P2.G23 v1(66.23,105.57) ; P1.C38 v1(71.14,16.35) ; P2.B22 v1(72.58,106.84)